# KiCad board EMP.kicad_pcb
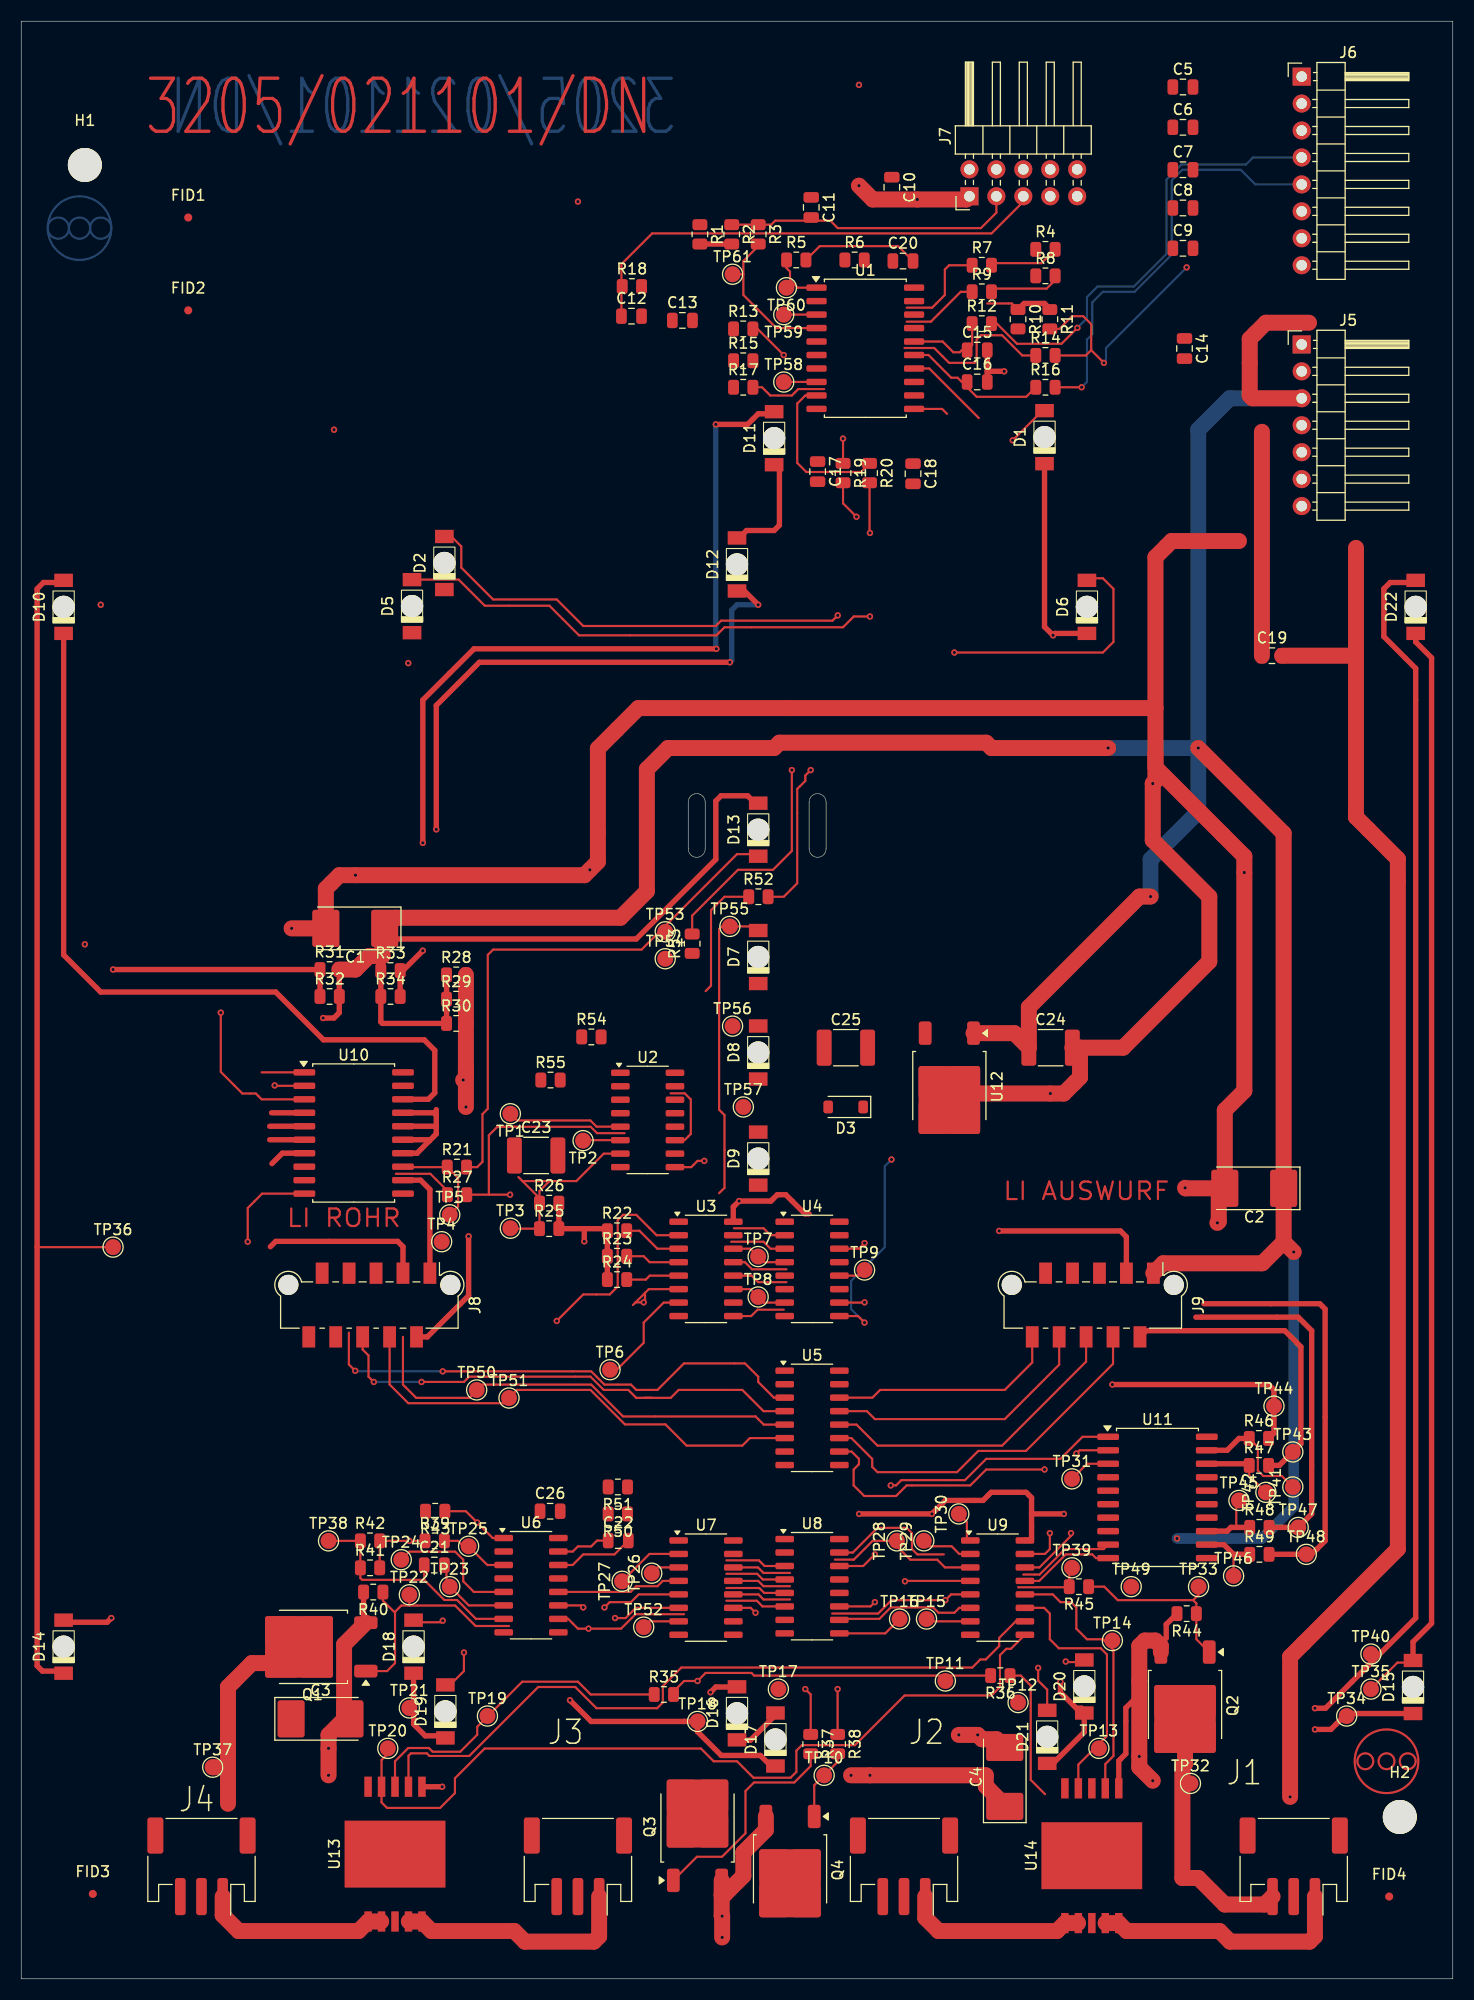
[diagram p0: board, top side]
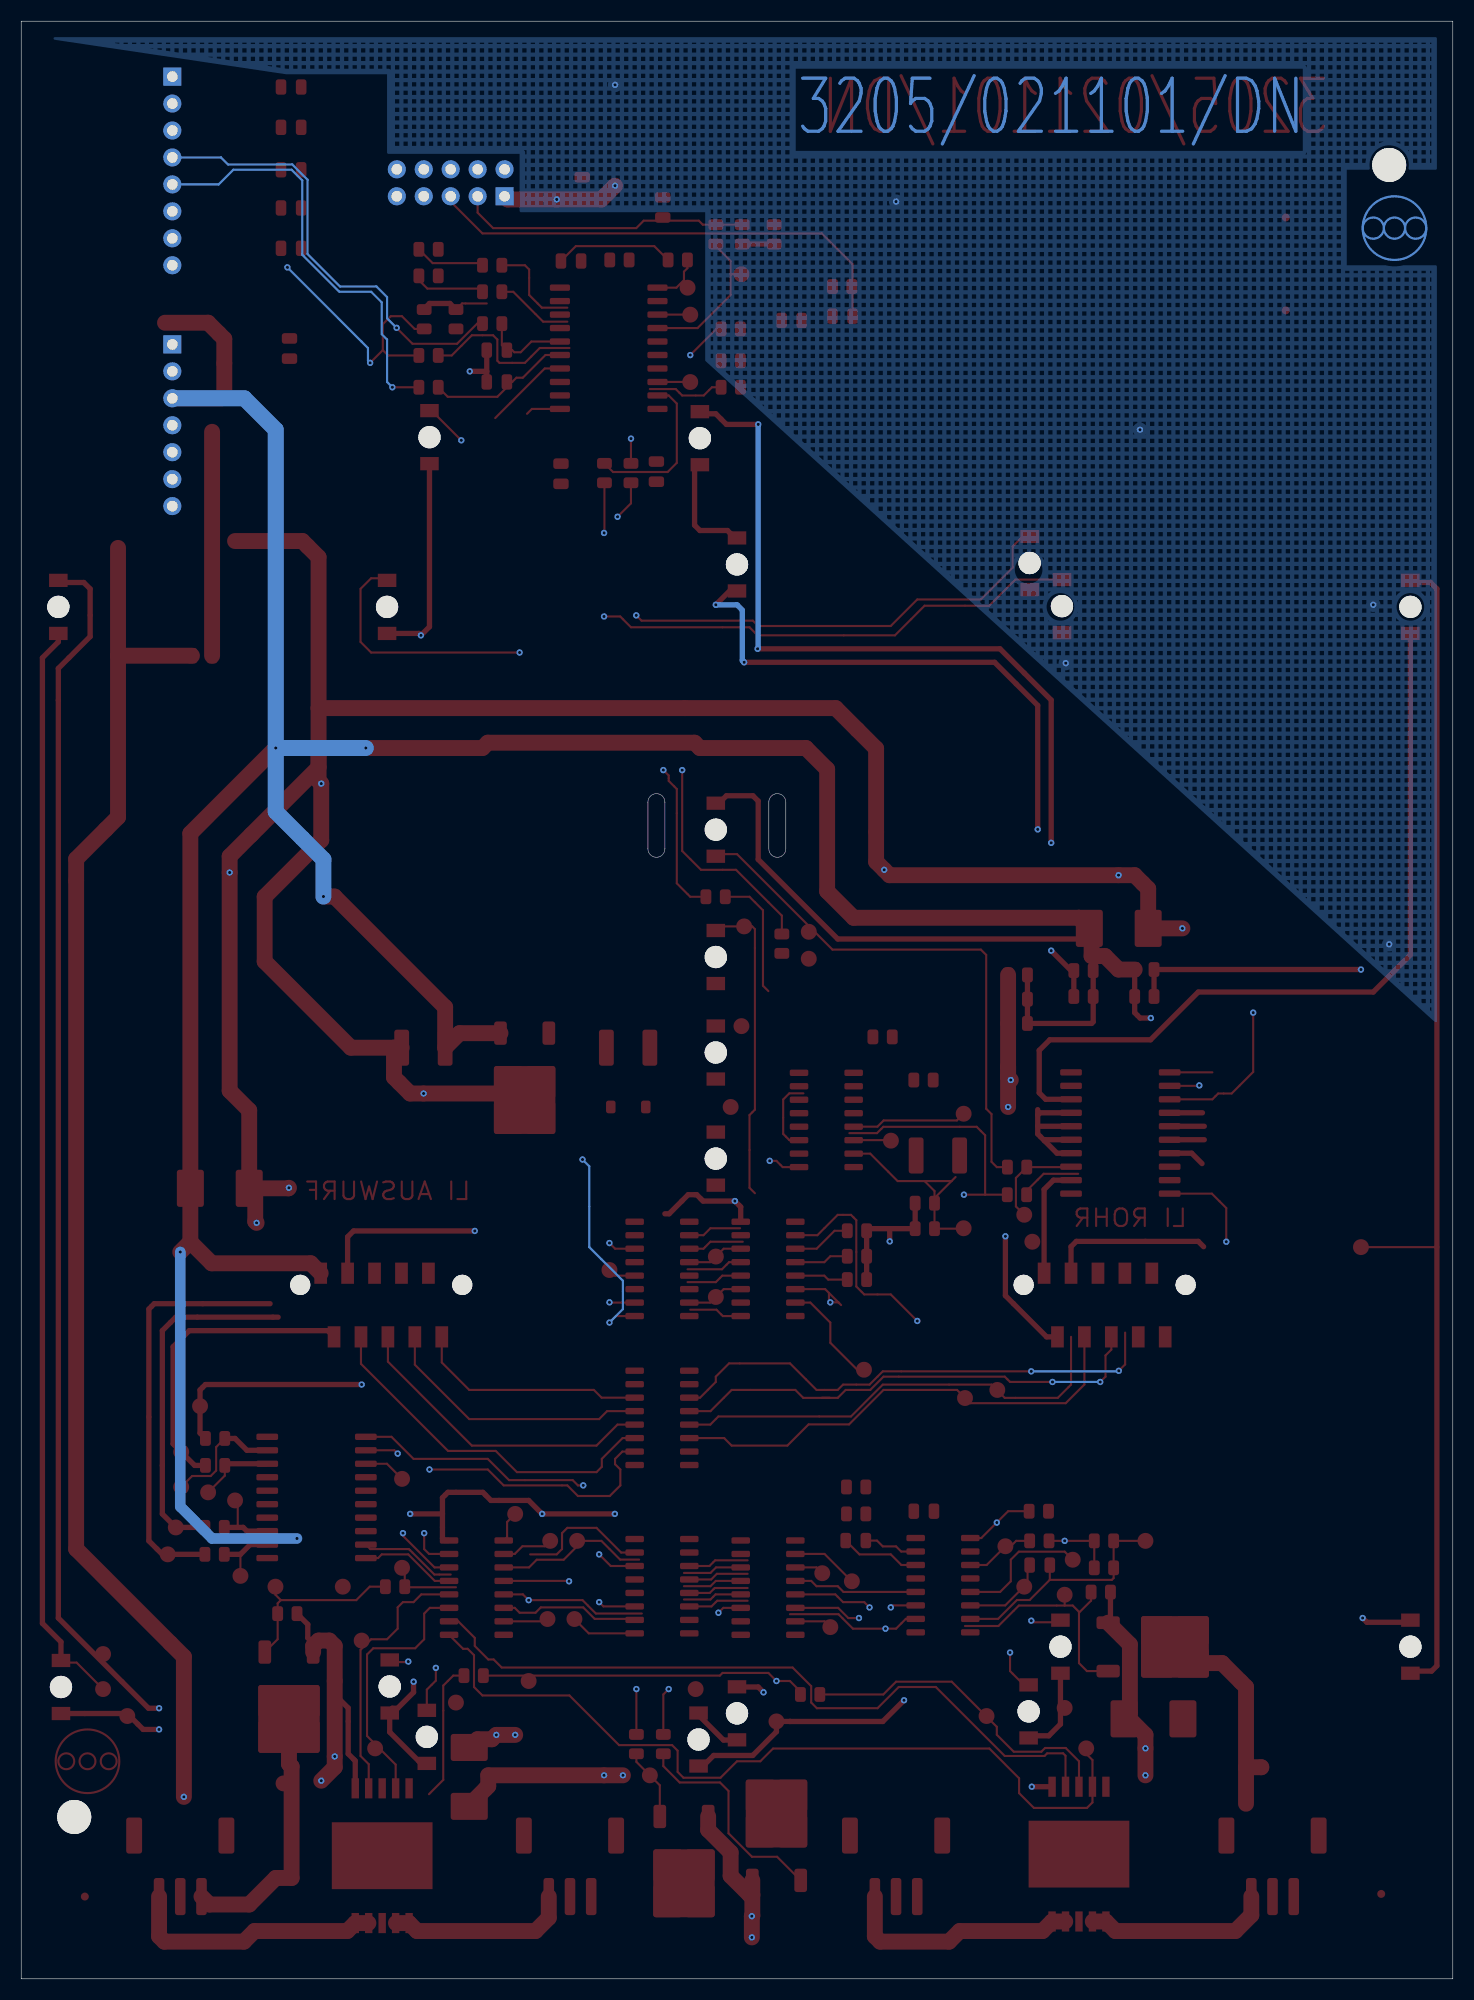
[diagram p1: board, bottom side, seen from below]

Outline 135 x 184.5 mm; copper layers: Top, Bottom. Coordinates in mm from the lower left corner of the outline.
Outline path: rectangle 0,184.5 135,0 ; 62.9,110.9 arc(63.7,111.7) 64.5,110.9 64.5,106.5 arc(63.7,105.7) 62.9,106.5 62.9,110.9 ; 74.3,110.9 arc(75.1,111.7) 75.9,110.9 75.9,106.5 arc(75.1,105.7) 74.3,106.5 74.3,110.9

## Placement (name value [footprint] x y rotation side)
C1  C_Polarized  [CP_EIA-7132-20_AVX-U]  31.5 99 180 top
C2  C_Polarized  [CP_EIA-7132-20_AVX-U]  116.28 74.5 180 top
C3  C_Polarized  [CP_EIA-7132-20_AVX-U]  28.23 24.5 0 top
C4  C_Polarized  [CP_EIA-7132-20_AVX-U]  92.75 19.03 90 top
C5  C  [C_0805_2012Metric]  109.55 178.3 0 top
C6  C  [C_0805_2012Metric]  109.55 174.5 0 top
C7  C  [C_0805_2012Metric]  109.55 170.5 0 top
C8  C  [C_0805_2012Metric]  109.55 166.9 0 top
C9  C  [C_0805_2012Metric]  109.55 163.1 0 top
C10  C  [C_0805_2012Metric]  82.1 168.85 270 top
C11  C  [C_0805_2012Metric]  74.5 166.95 270 top
C12  C  [C_0805_2012Metric]  57.55 156.7 0 top
C13  C  [C_0805_2012Metric]  62.35 156.3 0 top
C14  C  [C_0805_2012Metric]  109.7 153.65 270 top
C15  C  [C_0805_2012Metric]  90.15 153.5 0 top
C16  C  [C_0805_2012Metric]  90.15 150.5 0 top
C17  C  [C_0805_2012Metric]  75.1 142.05 270 top
C18  C  [C_0805_2012Metric]  84.1 141.85 270 top
C19  C  [C_0805_2012Metric]  117.95 124.7 0 top
C20  C  [C_0805_2012Metric]  83.15 161.9 0 top
C21  C  [C_0805_2012Metric]  38.95 38.99 0 top
C22  C  [C_0805_2012Metric]  56.3 41.3 0 top
C23  C  [C_1812_4532Metric]  48.56 77.6 0 top
C24  C  [C_1812_4532Metric]  97.07 87.76 0 top
C25  C  [C_1812_4532Metric]  77.77 87.76 0 top
C26  C  [C_0805_2012Metric]  49.88 44.07 0 top
D1  LED  [LED_ReverseMount]  96.5 145.3 90 top
D2  LED  [LED_ReverseMount]  39.9 133.44 90 top
D3  1N4148W  [D_SOD-123]  77.75 82.17 180 top
D5  LED  [LED_ReverseMount]  36.86 129.37 90 top
D6  LED  [LED_ReverseMount]  100.5 129.3 90 top
D7  LED  [LED_ReverseMount]  69.5 96.3 90 top
D8  LED  [LED_ReverseMount]  69.5 87.3 90 top
D9  LED  [LED_ReverseMount]  69.5 77.3 90 top
D10  D_Photo  [LED_ReverseMount]  4 129.3 90 top
D11  D_Photo  [LED_ReverseMount]  71 145.2 90 top
D12  D_Photo  [LED_ReverseMount]  67.5 133.3 90 top
D13  D_Photo  [LED_ReverseMount]  69.5 108.3 90 top
D14  D_Photo  [LED_ReverseMount]  4 31.3 90 top
D15  D_Photo  [LED_ReverseMount]  131.25 27.5 90 top
D16  D_Photo  [LED_ReverseMount]  67.5 25.02 90 top
D17  D_Photo  [LED_ReverseMount]  71.12 22.55 90 top
D18  LED  [LED_ReverseMount]  37 31.3 90 top
D19  LED  [LED_ReverseMount]  40 25.2 90 top
D20  LED  [LED_ReverseMount]  100.25 27.55 90 top
D21  LED  [LED_ReverseMount]  96.75 22.8 90 top
D22  D_Photo  [LED_ReverseMount]  131.5 129.3 90 top
FID1  Fiducial  [Fiducial_0.75mm_Mask2.25mm]  15.75 166 0 top
FID2  Fiducial  [Fiducial_0.75mm_Mask2.25mm]  15.75 157.25 0 top
FID3  Fiducial  [Fiducial_0.75mm_Mask2.25mm]  6.75 8 0 top
FID4  Fiducial  [Fiducial_0.75mm_Mask2.25mm]  129 7.75 0 top
H1  MountingHole  [MountingHole_3.2mm_M3]  6 170.95 0 top
H2  MountingHole  [MountingHole_3.2mm_M3]  130 15.25 0 top
J1  Conn_01x03_MountingPin  [JST_PH_S3B-PH-SM4-TB_1x03-1MP_P2.00mm_Horizontal]  120 10.6 180 top
J2  Conn_01x03_MountingPin  [JST_PH_S3B-PH-SM4-TB_1x03-1MP_P2.00mm_Horizontal]  83.25 10.6 180 top
J3  Conn_01x03_MountingPin  [JST_PH_S3B-PH-SM4-TB_1x03-1MP_P2.00mm_Horizontal]  52.5 10.6 180 top
J4  Conn_01x03_MountingPin  [JST_PH_S3B-PH-SM4-TB_1x03-1MP_P2.00mm_Horizontal]  17 10.6 180 top
J5  Netzteil  [PinHeader_1x07_P2.54mm_Horizontal]  120.75 154.04 0 top
J6  Conn_01x08  [PinHeader_1x08_P2.54mm_Horizontal]  120.75 179.28 0 top
J7  EMP/MDB  [PinHeader_2x05_P2.54mm_Horizontal]  89.42 168 90 top
J8  Li Rohr  [Molex_Picoflex_90814-0010_2x05_P1.27mm_Vertical]  32.83 63.5 270 top
J9  Li Auswurf  [Molex_Picoflex_90814-0010_2x05_P1.27mm_Vertical]  101.05 63.5 270 top
Q1  Q_NMOS_GDS  [TO-252-2]  27.46 31.28 180 top
Q2  Q_NMOS_GDS  [TO-252-2]  109.75 25.75 270 top
Q3  Q_NMOS_GDS  [TO-252-2]  63.78 14.31 90 top
Q4  Q_NMOS_GDS  [TO-252-2]  72.5 10.26 270 top
R1  R  [R_0805_2012Metric]  64 164.41 270 top
R2  R  [R_0805_2012Metric]  67 164.41 270 top
R3  R  [R_0805_2012Metric]  69.5 164.41 270 top
R4  R  [R_0805_2012Metric]  96.59 163 0 top
R5  R  [R_0805_2012Metric]  73.09 162 0 top
R6  R  [R_0805_2012Metric]  78.59 162 0 top
R7  R  [R_0805_2012Metric]  90.59 161.5 0 top
R8  R  [R_0805_2012Metric]  96.59 160.5 0 top
R9  R  [R_0805_2012Metric]  90.59 159 0 top
R10  R  [R_0805_2012Metric]  94 156.41 270 top
R11  R  [R_0805_2012Metric]  97 156.41 270 top
R12  R  [R_0805_2012Metric]  90.59 156 0 top
R13  R  [R_0805_2012Metric]  68.09 155.5 0 top
R14  R  [R_0805_2012Metric]  96.59 153 0 top
R15  R  [R_0805_2012Metric]  68.09 152.5 0 top
R16  R  [R_0805_2012Metric]  96.59 150 0 top
R17  R  [R_0805_2012Metric]  68.09 150 0 top
R18  R  [R_0805_2012Metric]  57.59 159.5 0 top
R19  R  [R_0805_2012Metric]  77.5 141.91 270 top
R20  R  [R_0805_2012Metric]  80 141.91 270 top
R21  R  [R_0805_2012Metric]  41.09 76.5 0 top
R22  R  [R_0805_2012Metric]  56.19 70.5 0 top
R23  R  [R_0805_2012Metric]  56.19 68.1 0 top
R24  R  [R_0805_2012Metric]  56.19 65.9 0 top
R25  R  [R_0805_2012Metric]  49.79 70.7 0 top
R26  R  [R_0805_2012Metric]  49.79 73.1 0 top
R27  R  [R_0805_2012Metric]  41.1 73.9 0 top
R28  R  [R_0805_2012Metric]  41.02 94.61 0 top
R29  R  [R_0805_2012Metric]  41.02 92.33 0 top
R30  R  [R_0805_2012Metric]  41.02 90.04 0 top
R31  R  [R_0805_2012Metric]  29.09 95.12 0 top
R32  R  [R_0805_2012Metric]  29.09 92.58 0 top
R33  R  [R_0805_2012Metric]  34.82 95.02 0 top
R34  R  [R_0805_2012Metric]  34.82 92.58 0 top
R35  R  [R_0805_2012Metric]  60.61 26.8 0 top
R36  R  [R_0805_2012Metric]  92.33 28.57 180 top
R37  R  [R_0805_2012Metric]  74.45 22.12 270 top
R38  R  [R_0805_2012Metric]  76.99 22.12 270 top
R39  R  [R_0805_2012Metric]  38.99 41.27 0 top
R40  R  [R_0805_2012Metric]  33.2 36.45 180 top
R41  R  [R_0805_2012Metric]  32.9 38.73 0 top
R42  R  [R_0805_2012Metric]  32.9 41.27 0 top
R43  R  [R_0805_2012Metric]  39.04 44.07 180 top
R44  R  [R_0805_2012Metric]  109.9 34.42 180 top
R45  R  [R_0805_2012Metric]  99.74 36.96 180 top
R46  R  [R_0805_2012Metric]  116.72 50.93 0 top
R47  R  [R_0805_2012Metric]  116.72 48.39 0 top
R48  R  [R_0805_2012Metric]  116.76 42.54 0 top
R49  R  [R_0805_2012Metric]  116.76 40 0 top
R50  R  [R_0805_2012Metric]  56.26 43.81 180 top
R51  R  [R_0805_2012Metric]  56.26 46.35 180 top
R52  R  [R_0805_2012Metric]  69.52 101.98 0 top
R53  R  [R_0805_2012Metric]  63.27 97.56 90 top
R54  R  [R_0805_2012Metric]  53.77 88.77 0 top
R55  R  [R_0805_2012Metric]  49.91 84.71 0 top
TP1  TestPoint  [TestPoint_Pad_D1.5mm]  46.13 81.53 180 top
TP2  TestPoint  [TestPoint_Pad_D1.5mm]  52.98 78.99 180 top
TP3  TestPoint  [TestPoint_Pad_D1.5mm]  46.13 70.74 0 top
TP4  TestPoint  [TestPoint_Pad_D1.5mm]  39.65 69.47 0 top
TP5  TestPoint  [TestPoint_Pad_D1.5mm]  40.41 72.01 0 top
TP6  TestPoint  [TestPoint_Pad_D1.5mm]  55.53 57.4 0 top
TP7  TestPoint  [TestPoint_Pad_D1.5mm]  69.5 68.07 0 top
TP8  TestPoint  [TestPoint_Pad_D1.5mm]  69.5 64.26 0 top
TP9  TestPoint  [TestPoint_Pad_D1.5mm]  79.53 66.8 0 top
TP10  TestPoint  [TestPoint_Pad_D1.5mm]  75.72 19.18 0 top
TP11  TestPoint  [TestPoint_Pad_D1.5mm]  87.15 28.07 0 top
TP12  TestPoint  [TestPoint_Pad_D1.5mm]  94.01 26.03 0 top
TP13  TestPoint  [TestPoint_Pad_D1.5mm]  101.63 21.72 0 top
TP14  TestPoint  [TestPoint_Pad_D1.5mm]  102.9 31.88 0 top
TP15  TestPoint  [TestPoint_Pad_D1.5mm]  85.37 33.91 0 top
TP16  TestPoint  [TestPoint_Pad_D1.5mm]  82.83 33.91 0 top
TP17  ~  [TestPoint_Pad_D1.5mm]  71.4 27.3 0 top
TP18  ~  [TestPoint_Pad_D1.5mm]  63.78 24.26 0 top
TP19  ~  [TestPoint_Pad_D1.5mm]  43.97 24.76 0 top
TP20  ~  [TestPoint_Pad_D1.5mm]  34.57 21.72 0 top
TP21  ~  [TestPoint_Pad_D1.5mm]  36.6 25.53 0 top
TP22  ~  [TestPoint_Pad_D1.5mm]  36.6 36.19 0 top
TP23  ~  [TestPoint_Pad_D1.5mm]  40.41 36.96 0 top
TP24  ~  [TestPoint_Pad_D1.5mm]  35.84 39.5 0 top
TP25  ~  [TestPoint_Pad_D1.5mm]  42.19 40.77 0 top
TP26  ~  [TestPoint_Pad_D1.5mm]  59.46 38.23 90 top
TP27  ~  [TestPoint_Pad_D1.5mm]  56.67 37.46 90 top
TP28  ~  [TestPoint_Pad_D1.5mm]  82.58 41.27 90 top
TP29  ~  [TestPoint_Pad_D1.5mm]  85.12 41.27 90 top
TP30  ~  [TestPoint_Pad_D1.5mm]  88.42 43.81 90 top
TP31  ~  [TestPoint_Pad_D1.5mm]  99.09 47.12 0 top
TP32  ~  [TestPoint_Pad_D1.5mm]  110.26 18.41 0 top
TP33  ~  [TestPoint_Pad_D1.5mm]  111.02 36.96 0 top
TP34  ~  [TestPoint_Pad_D1.5mm]  124.99 24.76 0 top
TP35  ~  [TestPoint_Pad_D1.5mm]  127.28 27.3 0 top
TP36  ~  [TestPoint_Pad_D1.5mm]  8.66 68.96 0 top
TP37  ~  [TestPoint_Pad_D1.5mm]  18.06 19.94 0 top
TP38  ~  [TestPoint_Pad_D1.5mm]  28.98 41.27 0 top
TP39  ~  [TestPoint_Pad_D1.5mm]  99.09 38.73 0 top
TP40  ~  [TestPoint_Pad_D1.5mm]  127.28 30.61 0 top
TP41  ~  [TestPoint_Pad_D1.5mm]  119.91 46.35 90 top
TP42  ~  [TestPoint_Pad_D1.5mm]  117.37 45.85 90 top
TP43  ~  [TestPoint_Pad_D1.5mm]  119.91 49.66 0 top
TP44  ~  [TestPoint_Pad_D1.5mm]  118.14 53.97 0 top
TP45  ~  [TestPoint_Pad_D1.5mm]  114.83 45.08 0 top
TP46  ~  [TestPoint_Pad_D1.5mm]  114.33 37.97 0 top
TP47  ~  [TestPoint_Pad_D1.5mm]  120.42 42.54 0 top
TP48  ~  [TestPoint_Pad_D1.5mm]  121.18 40 0 top
TP49  ~  [TestPoint_Pad_D1.5mm]  104.67 36.96 0 top
TP50  ~  [TestPoint_Pad_D1.5mm]  42.95 55.5 0 top
TP51  ~  [TestPoint_Pad_D1.5mm]  46 54.74 0 top
TP52  TestPoint  [TestPoint_Pad_D1.5mm]  58.7 33.15 0 top
TP53  TestPoint  [TestPoint_Pad_D1.5mm]  60.73 98.68 0 top
TP54  TestPoint  [TestPoint_Pad_D1.5mm]  60.73 96.14 0 top
TP55  TestPoint  [TestPoint_Pad_D1.5mm]  66.83 99.19 0 top
TP56  TestPoint  [TestPoint_Pad_D1.5mm]  67.08 89.79 0 top
TP57  TestPoint  [TestPoint_Pad_D1.5mm]  68.1 82.17 0 top
TP58  TestPoint  [TestPoint_Pad_D1.5mm]  71.91 150.49 0 top
TP59  TestPoint  [TestPoint_Pad_D1.5mm]  71.91 156.84 180 top
TP60  TestPoint  [TestPoint_Pad_D1.5mm]  72.16 159.38 180 top
TP61  TestPoint  [TestPoint_Pad_D1.5mm]  67.08 160.65 0 top
U1  74HC245  [SOP-20_7.5x12.8mm_P1.27mm]  79.6 153.68 0 top
U2  74HC123  [SO-16_3.9x9.9mm_P1.27mm]  59.08 80.94 0 top
U3  74HC165  [SO-16_3.9x9.9mm_P1.27mm]  64.58 66.91 0 top
U4  74HC157  [SO-16_3.9x9.9mm_P1.27mm]  74.58 66.91 0 top
U5  74HC165  [SO-16_3.9x9.9mm_P1.27mm]  74.58 52.87 0 top
U6  74HC123  [SO-16_3.9x9.9mm_P1.27mm]  48.08 37.09 0 top
U7  74HC123  [SO-16_3.9x9.9mm_P1.27mm]  64.58 36.87 0 top
U8  74HC595  [SO-16_3.9x9.9mm_P1.27mm]  74.58 37 0 top
U9  74HC238  [SO-16_3.9x9.9mm_P1.27mm]  92.08 36.87 0 top
U10  ~  [SOIC-20W_7.5x12.8mm_P1.27mm]  31.35 79.72 0 top
U11  ~  [SOIC-20W_7.5x12.8mm_P1.27mm]  107.15 45.37 0 top
U12  L7805  [TO-252-2]  87.53 84.08 270 top
U13  ~  [SOIC-10]  35.25 11.75 0 top
U14  ~  [SOIC-10]  100.96 11.6 0 top

## Library data of the parts
C1-C4 = -: Description: Polarized capacitor; ki_fp_filters: CP_*
C5-C26 = -: Description: Unpolarized capacitor; ki_fp_filters: C_*
D1 D2 D5-D9 D18-D21 = -: Description: Light emitting diode; Sim.Pins: 1=K 2=A; ki_fp_filters: LED* LED_SMD:* LED_THT:*
D3 = -: Datasheet: https://www.vishay.com/docs/85748/1n4148w.pdf; Description: 75V 0.15A Fast Switching Diode, SOD-123; Sim.Device: D; Sim.Pins: 1=K 2=A; ki_fp_filters: D*SOD?123*
D10-D17 D22 = -: Description: Photodiode
FID1-FID4 = -: Description: Fiducial Marker; ki_fp_filters: Fiducial*
H1 H2 = -: Description: Mounting Hole without connection; ki_fp_filters: MountingHole*
J1-J4 = -: Description: Generic connectable mounting pin connector, single row, 01x03, script generated (kicad-library-utils/schlib/autogen/connector/); ki_fp_filters: Connector*:*_1x??-1MP*
J5 = -: Description: Generic connector, single row, 01x07, script generated (kicad-library-utils/schlib/autogen/connector/); ki_fp_filters: Connector*:*_1x??_*
J6 = -: Description: Generic connector, single row, 01x08, script generated (kicad-library-utils/schlib/autogen/connector/); ki_fp_filters: Connector*:*_1x??_*
J7 = -: Description: Generic connector, double row, 02x05, odd/even pin numbering scheme (row 1 odd numbers, row 2 even numbers), script generated (kicad-library-utils/schlib/autogen/connector/); ki_fp_filters: Connector*:*_2x??_*
J8 J9 = -: Description: Generic connector, single row, 01x10, script generated (kicad-library-utils/schlib/autogen/connector/); ki_fp_filters: Connector*:*_1x??_*
Q1-Q4 = -: Description: N-MOSFET transistor, gate/drain/source
R1-R55 = -: Description: Resistor; ki_fp_filters: R_*
TP1-TP61 = -: Description: test point; ki_fp_filters: Pin* Test*
U1 = -: Datasheet: http://www.ti.com/lit/gpn/sn74HC245; Description: Octal BUS Transceivers, 3-State outputs; ki_fp_filters: DIP?20*
U2 U6 U7 = -: Datasheet: https://assets.nexperia.com/documents/data-sheet/74HC_HCT123.pdf; Description: Dual retriggerable monostable multivibrator; ki_fp_filters: DIP?16*
U3 U5 = -: Datasheet: https://assets.nexperia.com/documents/data-sheet/74HC_HCT165.pdf; Description: Shift Register, 8-bit, Parallel Load; ki_fp_filters: DIP?16* SO*16*3.9x9.9mm*P1.27mm* SSOP*16*5.3x6.2mm*P0.65mm* TSSOP*16*4.4x5mm*P0.65*
U4 = -: Datasheet: http://www.ti.com/lit/gpn/sn74LS157; Description: Quad 2 to 1 line Multiplexer; ki_fp_filters: DIP?16*
U8 = -: Datasheet: http://www.ti.com/lit/ds/symlink/sn74hc595.pdf; Description: 8-bit serial in/out Shift Register 3-State Outputs; ki_fp_filters: DIP*W7.62mm* SOIC*3.9x9.9mm*P1.27mm* TSSOP*4.4x5mm*P0.65mm* SOIC*5.3x10.2mm*P1.27mm* SOIC*7.5x10.3mm*P1.27mm*
U9 = -: Datasheet: https://www.ti.com/lit/ds/symlink/cd74hc238.pdf; Description: 3-to-8 line decoder/multiplexer, DIP-16/SOIC-16/SSOP-16; ki_fp_filters: DIP*W7.62mm* SOIC*3.9x9.9mm*P1.27mm* TSSOP*4.4x5mm*P0.65mm*
U12 = -: Datasheet: http://www.st.com/content/ccc/resource/technical/document/datasheet/41/4f/b3/b0/12/d4/47/88/CD00000444.pdf/files/CD00000444.pdf/jcr:content/translations/en.CD00000444.pdf; Description: Positive 1.5A 35V Linear Regulator, Fixed Output 5V, TO-220/TO-263/TO-252; ki_fp_filters: TO?252* TO?263* TO?220*
